# Altium PCB MB1397.PcbDoc (part 4 of 11)
Units mm, origin at the board's own origin, x right, y up, seen from the top; angles counter-clockwise.
Board outline 118.24 x 172.86 mm, 6 copper layers (Top Layer, L2_GND, L3_VCC, L4_SIG, L5_GND, Bottom Layer), stack 1.631 mm thick; 819 components, 632 nets, 2875 pads, 1523 vias.
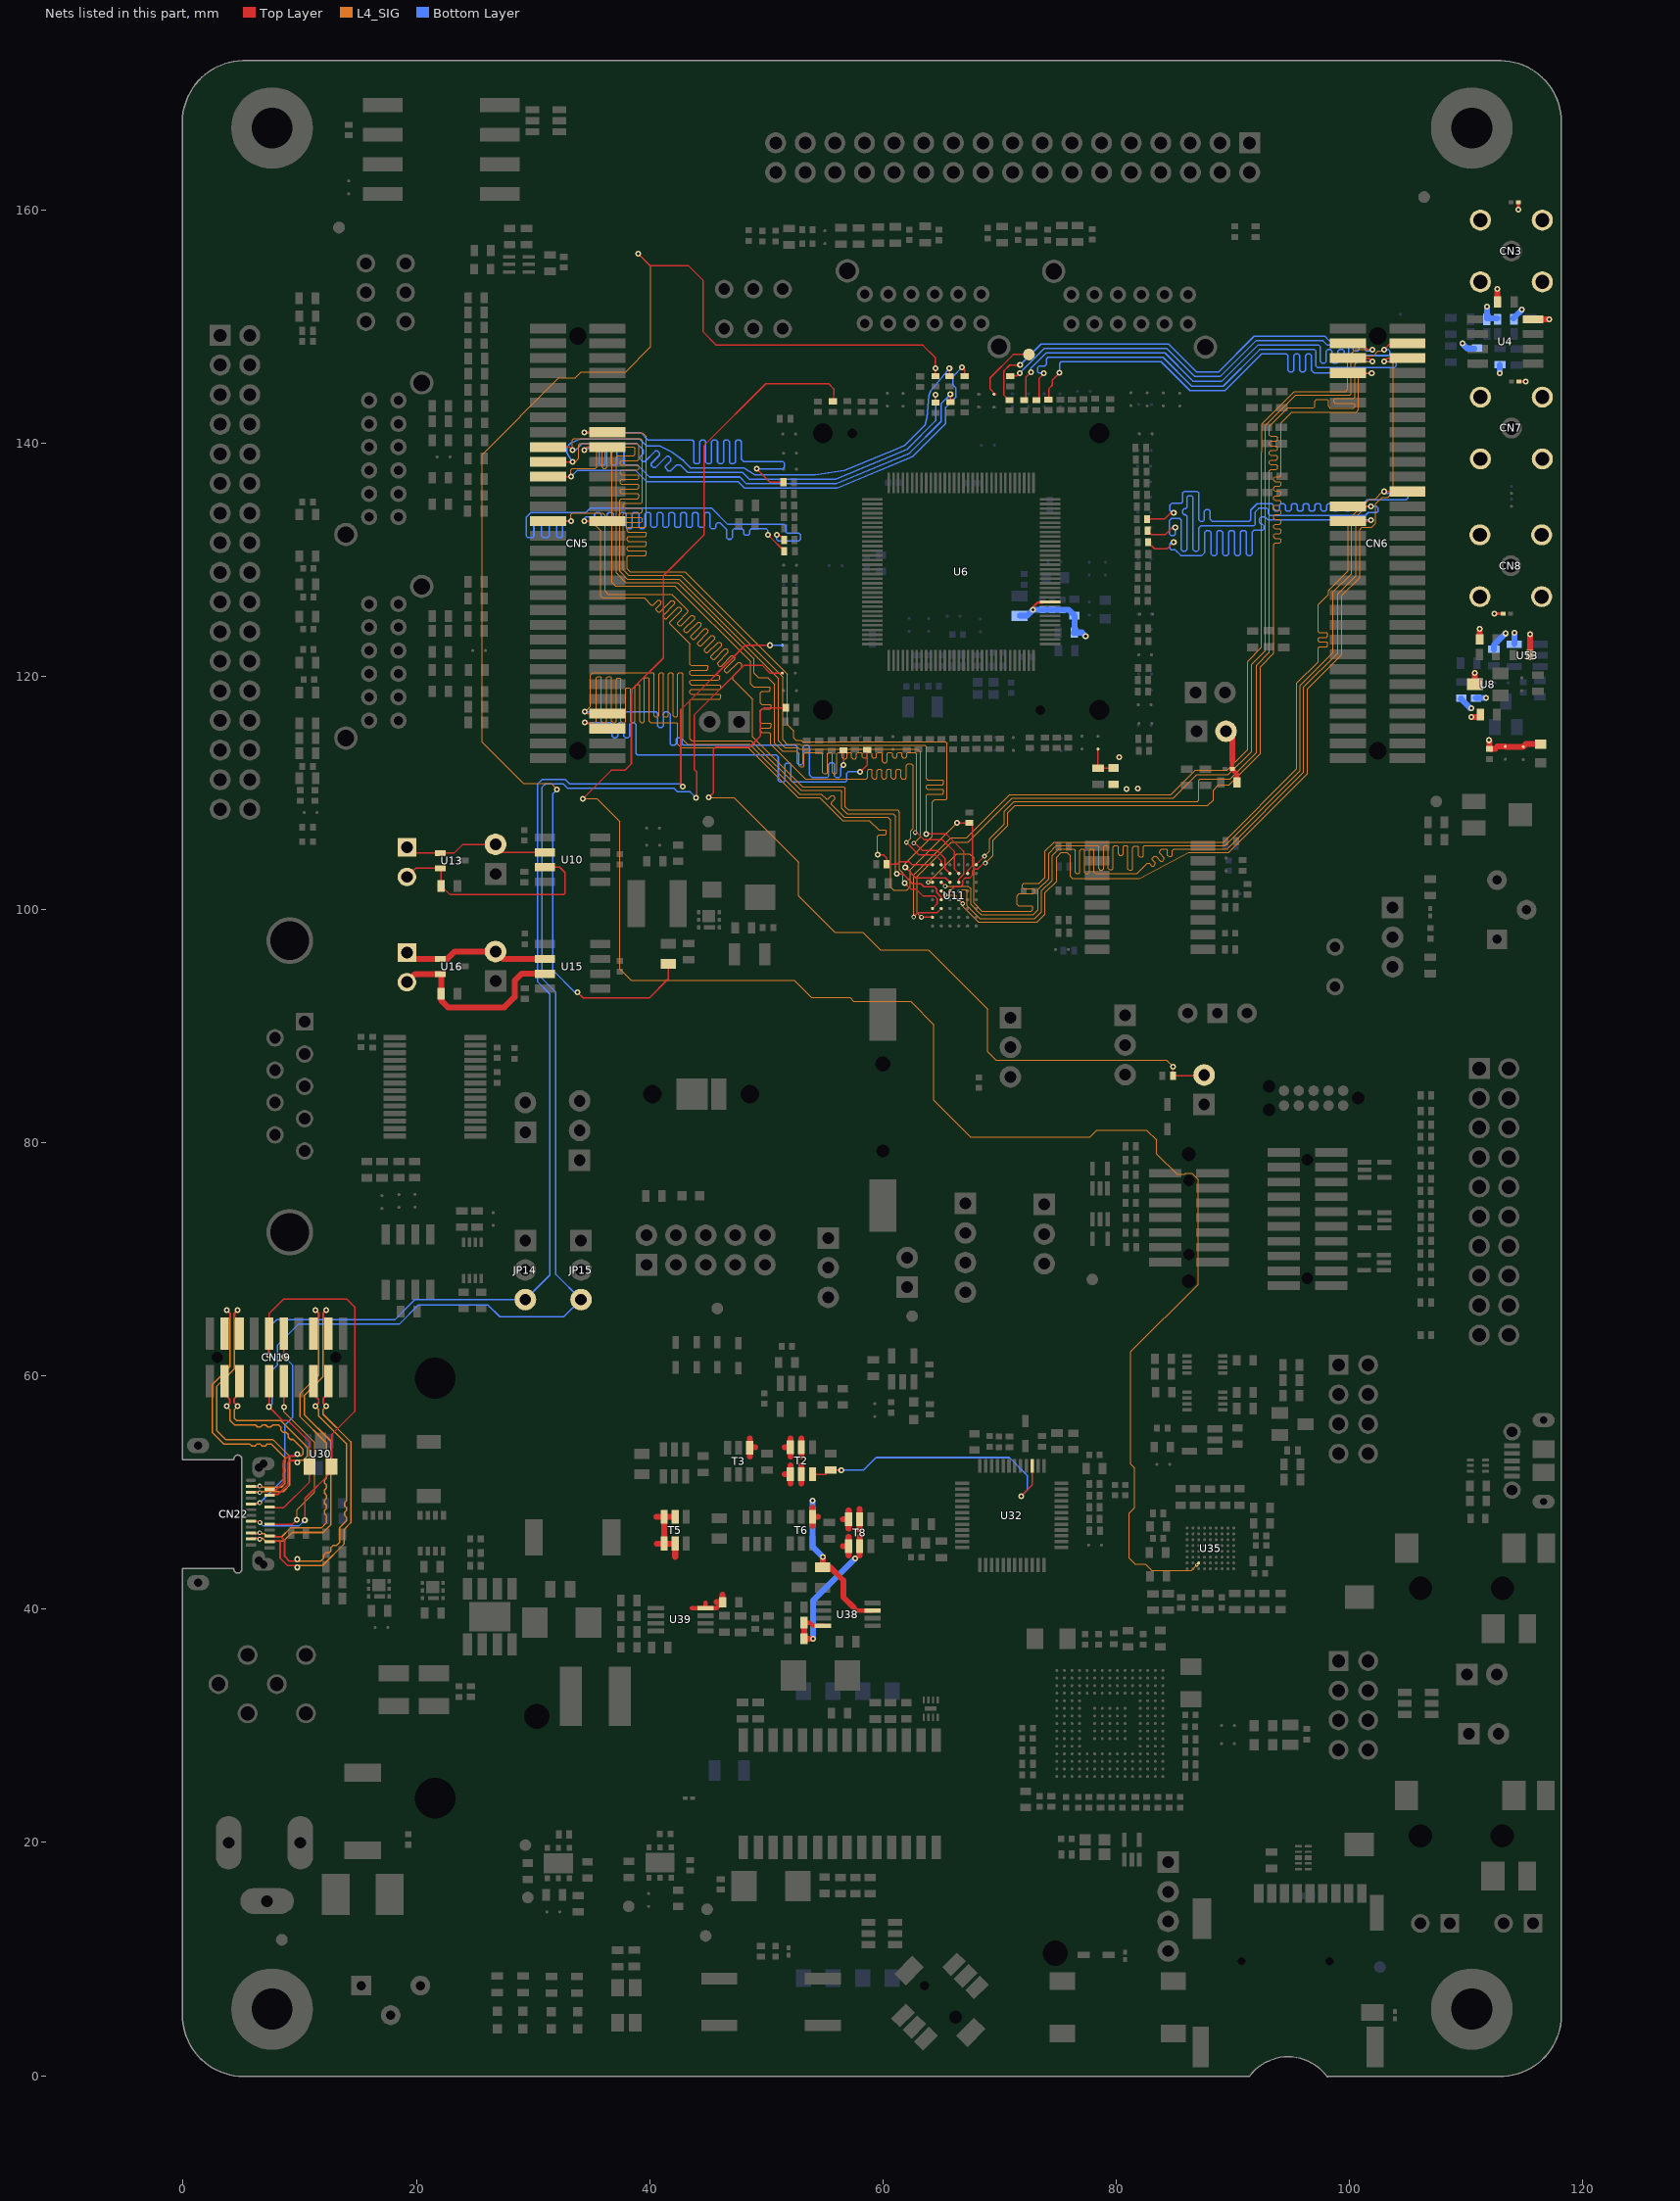
[diagram p8: the nets of this part, all layers, seen from the top]

## Via types
v1: diameter 0.508, hole 0.254, Top Layer to Bottom Layer, tented both sides, 1330 vias
v2: diameter 0.406, hole 0.203, Top Layer to Bottom Layer, tented both sides, 115 vias
v3: diameter 0.508, hole 0.254, Top Layer to Bottom Layer, 33 vias
v4: diameter 0.305, hole 0.152, Top Layer to Bottom Layer, tented both sides, 26 vias
v5: diameter 0.61, hole 0.305, Top Layer to Bottom Layer, tented both sides, 14 vias
v6: diameter 0.61, hole 0.33, Top Layer to Bottom Layer, tented both sides, 2 vias
v7: diameter 0.381, hole 0.203, Top Layer to Bottom Layer, tented both sides, 2 vias
v8: diameter 0.508, hole 0.203, Top Layer to Bottom Layer, tented both sides, 1 vias

## Nets (pads, with @x,y where several pads share a name; then routed paths per layer and width w, separated by ;. In a path a pad name is that pad's centre, name@x,y a point inside that pad or via, vN(x,y) a via of type N, cw(c..) or ccw(c..) an arc to the next point about the centre after c; other vN are vias at no path point) (continued)
A11: CN5.21 R28.2 U11.H5 | length 121.6
  Top Layer w0.127: CN5.21@31.285,137.111 33.244,137.109 v1(33.246,137.112) ; v2(62.012,105.75) 63.063,104.696 64.455,104.696 64.999,104.155 U11.H5@64.999,103.835 ; v1(66.774,146.479) 67.003,146.253 R28.2@67.003,145.738
  L4_SIG w0.102: v1(33.246,137.112) 33.246,137.701 33.373,137.828 35.354,137.828 35.456,137.93 35.456,139.207 35.593,139.344 35.809,139.344 35.928,139.225 35.928,137.93 36.03,137.828 36.236,137.828 36.335,137.93 36.335,139.273 36.406,139.344 36.675,139.344 36.777,139.243 36.777,128.039 37.081,127.734 42.161,127.734 48.638,121.257 48.638,119.352 48.892,119.098 50.239,119.098 50.34,118.996 50.34,118.793 50.239,118.692 49.604,118.692 49.502,118.59 49.502,117.686 49.604,117.584 50.315,117.584 50.416,117.483 50.416,117.279 50.315,117.178 49.604,117.178 49.502,117.076 49.502,116.083 49.604,115.981 50.315,115.981 50.416,115.88 50.416,115.677 50.315,115.575 49.604,115.575 49.502,115.473 49.502,115.288 49.629,115.161 50.239,115.161 50.366,115.034 50.366,114.17 53.337,111.199 58.58,111.199 58.682,111.3 58.682,111.91 58.783,112.011 58.986,112.011 59.088,111.91 59.088,111.3 59.19,111.199 59.393,111.199 59.494,111.3 59.494,111.91 59.596,112.011 59.799,112.011 59.901,111.91 59.901,111.3 60.002,111.199 60.206,111.199 60.307,111.3 60.307,111.91 60.409,112.011 60.612,112.011 60.714,111.91 60.714,111.3 60.815,111.199 61.018,111.199 61.12,111.3 61.12,111.91 61.222,112.011 61.425,112.011 61.526,111.91 61.526,111.3 61.628,111.199 61.923,111.199 62.024,111.3 62.024,112.367 62.151,112.494 62.431,112.494 62.583,112.342 62.583,106.962 62.38,106.759 62.38,106.119 v2(62.012,105.75)
  Bottom Layer w0.127: v1(33.246,137.112) 33.802,137.668 38.755,137.668 39.723,136.7 47.567,136.7 48.151,136.116 56.017,136.116 56.078,136.141 56.083,136.141 62.319,138.737 62.504,138.814 65.377,141.686 65.377,143.05 66.266,143.939 66.266,144.711 66.012,144.963 66.012,145.717 v1(66.774,146.479)
A12: CN5.18 R50.2 U11.G3 | length 125
  Top Layer w0.127: v1(34.389,139.398) 34.641,139.649 CN5.18@36.385,139.651 ; v2(62.761,106.601) 62.901,106.601 63.533,105.966 65.121,105.966 66.139,104.95 66.139,103.444 66.5,103.086 U11.G3@66.499,103.085 ; R50.2@65.786,143.503 v1(65.786,144.16)
  L4_SIG w0.102: v1(34.389,139.398) 34.641,139.649 38.603,139.649 38.732,139.52 38.732,139.037 38.605,138.91 37.259,138.91 37.132,138.783 37.132,128.854 37.948,128.039 42.39,128.039 48.943,121.486 48.943,120.266 49.324,119.885 50.112,119.885 50.721,119.276 50.721,114.247 51.382,113.586 52.601,113.586 52.829,113.358 52.829,112.342 52.931,112.24 53.134,112.24 53.236,112.342 53.236,113.358 53.337,113.459 54.745,113.459 54.846,113.358 54.846,111.757 54.948,111.656 55.151,111.656 55.253,111.757 55.253,113.358 55.354,113.459 55.557,113.459 55.659,113.358 55.659,111.757 55.761,111.656 55.964,111.656 56.065,111.757 56.065,113.358 56.167,113.459 56.408,113.459 56.51,113.358 56.51,113.027 56.612,112.926 56.815,112.926 56.916,113.027 56.916,113.358 57.018,113.459 57.221,113.459 57.323,113.358 57.323,113.027 57.424,112.926 57.628,112.926 57.729,113.027 57.729,113.358 57.831,113.459 58.143,113.459 58.245,113.358 58.245,113.078 58.346,112.977 58.55,112.977 58.651,113.078 58.651,113.358 58.753,113.459 58.956,113.459 59.058,113.358 59.058,113.078 59.159,112.977 59.362,112.977 59.464,113.078 59.464,113.358 59.566,113.459 59.855,113.459 59.957,113.358 59.957,112.697 60.058,112.596 60.261,112.596 60.363,112.697 60.363,113.358 60.465,113.459 60.719,113.459 60.82,113.358 60.82,113.104 60.922,113.002 61.125,113.002 61.227,113.104 61.227,113.358 61.328,113.459 61.531,113.459 61.633,113.358 61.633,113.104 61.735,113.002 61.938,113.002 62.039,113.104 62.039,113.358 62.141,113.459 62.761,113.459 62.888,113.332 62.888,106.728 v2(62.761,106.601)
  Bottom Layer w0.127: v1(34.389,139.398) 34.516,139.525 35.55,139.525 35.677,139.398 35.677,138.224 35.804,138.097 36.058,138.097 36.185,138.224 36.185,139.398 36.312,139.525 36.566,139.525 36.693,139.398 36.693,138.224 36.82,138.097 37.074,138.097 37.201,138.224 37.201,139.398 37.328,139.525 37.673,139.525 37.798,139.398 37.798,138.245 37.945,138.097 38.966,138.097 39.982,137.081 47.724,137.081 48.308,136.497 55.941,136.497 56.002,136.522 56.007,136.522 62.184,139.093 62.288,139.136 64.996,141.846 64.996,143.37 v1(65.786,144.16)
A13: CN5.19 R27.2 U11.G4 | length 122.1
  Top Layer w0.127: CN5.19@31.285,138.381 33.371,138.379 v1(33.373,138.382) ; v2(62.634,105.687) 62.735,105.687 63.345,105.077 64.615,105.077 65.331,104.364 65.331,103.505 65.75,103.086 U11.G4@65.749,103.085 ; R27.2@65.703,145.738 v1(65.702,146.393)
  L4_SIG w0.102: v1(33.373,138.382) 33.607,138.382 33.909,138.684 33.909,139.852 34.011,139.954 38.908,139.954 39.063,139.799 39.063,138.605 38.961,138.504 37.564,138.504 37.462,138.402 37.462,138.199 37.564,138.097 38.961,138.097 39.063,137.996 39.063,137.792 38.961,137.691 37.564,137.691 37.462,137.589 37.462,137.386 37.564,137.284 38.961,137.284 39.063,137.183 39.063,136.98 38.961,136.878 37.564,136.878 37.462,136.776 37.462,136.573 37.564,136.472 38.961,136.472 39.063,136.37 39.063,136.167 38.961,136.065 37.564,136.065 37.462,135.964 37.462,135.76 37.564,135.659 38.961,135.659 39.063,135.557 39.063,135.329 38.936,135.202 37.564,135.202 37.437,135.075 37.437,128.981 38.072,128.344 42.517,128.344 51.051,119.809 51.051,114.45 51.613,113.889 52.726,113.889 52.851,113.764 62.939,113.764 63.218,113.485 63.218,106.22 62.685,105.687 v2(62.634,105.687)
  Bottom Layer w0.127: v1(33.373,138.382) 32.893,139.126 32.893,139.649 33.246,140.002 34.008,140.335 39.136,140.335 39.723,139.748 40.866,139.748 41.882,139.24 42.898,138.478 43.533,137.843 48.105,137.843 48.994,137.284 54.206,137.284 56.693,137.635 60.894,139.383 61.854,139.781 63.599,141.526 63.772,142.161 63.944,144.066 64.12,144.516 v1(65.702,146.393)
A14: CN5.17 R53.2 U11.F3 | length 125.3
  Top Layer w0.127: CN5.17@31.285,139.651 33.122,139.649 v1(33.373,139.398) ; v1(63.726,106.474) 65.425,106.474 66.901,105.001 66.901,102.994 66.5,102.593 U11.F3@66.499,102.335 ; R53.2@64.501,143.474 64.501,143.474 64.516,143.49 v1(64.516,144.145)
  L4_SIG w0.102: v1(33.373,139.398) 33.373,140.256 33.475,140.358 39.215,140.358 39.367,140.205 39.367,134.917 39.266,134.816 37.843,134.816 37.742,134.714 37.742,134.511 37.843,134.409 39.266,134.409 39.367,134.308 39.367,134.104 39.266,134.003 37.843,134.003 37.742,133.901 37.742,133.698 37.843,133.596 39.266,133.596 39.367,133.495 39.367,133.292 39.266,133.19 37.843,133.19 37.742,133.088 37.742,129.106 38.199,128.648 42.695,128.648 51.407,119.936 51.407,114.551 51.768,114.191 52.851,114.191 52.973,114.069 63.599,114.069 63.726,113.942 63.726,111.214 63.828,111.115 65.098,111.115 65.199,111.011 65.199,110.808 65.098,110.706 63.828,110.706 63.726,110.607 63.726,110.401 63.828,110.3 65.098,110.3 65.199,110.198 65.199,109.995 65.098,109.893 63.828,109.893 63.726,109.792 v1(63.726,106.474)
  Bottom Layer w0.127: v1(33.373,139.398) 33.658,139.398 34.214,139.954 38.882,139.954 39.469,139.367 39.469,139.113 39.177,138.821 39.177,138.641 39.406,138.412 39.586,138.412 40.485,139.314 40.665,139.314 40.846,139.134 40.846,138.953 40.137,138.245 40.137,138.064 40.315,137.886 40.495,137.886 41.458,138.849 41.638,138.849 41.819,138.669 41.819,138.488 41.364,138.034 41.364,137.853 41.603,137.615 41.78,137.615 42.263,138.097 42.644,138.097 43.279,137.462 47.978,137.462 48.562,136.878 55.865,136.878 55.926,136.903 55.931,136.903 62.073,139.459 64.516,141.905 v1(64.516,144.145)
A15: CN5.16 R68.2 U11.F4 | length 122.8
  Top Layer w0.127: v1(34.392,140.891) 34.42,140.919 CN5.16@36.385,140.921 ; v1(49.185,137.78) 50.34,136.627 R68.2@51.468,136.627 ; v1(61.923,103.604) 62.812,102.715 65.369,102.715 65.75,102.334 U11.F4@65.749,102.335
  L4_SIG w0.102: v1(34.392,140.891) 39.367,140.891 39.723,140.536 39.723,132.885 39.621,132.784 38.174,132.784 38.072,132.682 38.072,132.479 38.174,132.377 39.621,132.377 39.723,132.276 39.723,132.072 39.621,131.971 38.174,131.971 38.072,131.869 38.072,131.666 38.174,131.564 39.621,131.564 39.723,131.463 39.723,131.26 39.621,131.158 38.174,131.158 38.072,131.056 38.072,130.853 38.174,130.752 39.621,130.752 39.723,130.65 39.723,130.447 39.621,130.345 38.174,130.345 38.072,130.244 38.072,129.207 38.326,128.953 43.025,128.953 51.788,120.19 51.788,115.872 52.336,115.325 52.336,114.717 52.56,114.493 52.976,114.493 53.096,114.374 65.377,114.374 65.504,114.247 65.504,109.522 65.402,109.421 64.437,109.421 64.234,109.217 64.234,106.271 61.923,103.96 v1(61.923,103.604)
  Bottom Layer w0.127: v1(34.392,140.891) 39.215,140.891 39.85,140.256 43.66,140.256 43.787,140.129 43.787,138.351 43.914,138.224 44.168,138.224 44.295,138.351 44.295,140.129 44.422,140.256 44.676,140.256 44.803,140.129 44.803,138.351 44.93,138.224 45.184,138.224 45.311,138.351 45.311,140.129 45.438,140.256 45.692,140.256 45.819,140.129 45.819,138.351 45.946,138.224 46.2,138.224 46.327,138.351 46.327,140.129 46.454,140.256 46.708,140.256 46.835,140.129 46.835,138.351 46.962,138.224 47.216,138.224 47.343,138.351 47.343,140.129 47.47,140.256 47.724,140.256 47.851,140.129 47.851,138.605 48.042,138.415 51.407,138.415 51.534,138.288 51.534,137.907 51.407,137.78 v1(49.185,137.78)
A16: CN6.7 R39.2 U11.E4 | length 122.9
  Top Layer w0.127: U11.E4@65.749,101.585 66.116,101.953 66.647,101.953 66.85,102.156 66.85,102.512 67.053,102.715 67.434,102.715 67.663,102.944 67.663,103.299 67.841,103.477 68.146,103.477 68.654,103.985 v2(68.781,103.985) ; R39.2@74.247,143.607 74.247,144.681 74.521,144.955 74.521,145.387 75.143,146.009 v1(75.143,146.035) ; CN6.7@99.865,146.001 99.865,146.002 v1(101.902,146.002)
  L4_SIG w0.102: v2(68.781,103.985) 69.441,104.645 69.441,105.926 70.711,107.196 70.711,108.278 71.346,108.913 87.831,108.913 88.323,109.403 88.323,110.244 88.755,110.673 89.667,110.673 92.37,113.375 92.37,120.818 93.52,121.968 93.52,131.315 93.622,131.417 94.028,131.417 94.13,131.519 94.13,131.722 94.028,131.823 93.622,131.823 93.52,131.925 93.52,132.128 93.622,132.23 94.028,132.23 94.13,132.331 94.13,132.535 94.028,132.636 93.622,132.636 93.52,132.738 93.52,132.941 93.622,133.043 94.028,133.043 94.13,133.144 94.13,133.347 94.028,133.449 93.622,133.449 93.52,133.551 93.52,133.754 93.622,133.855 94.028,133.855 94.13,133.957 94.13,134.16 94.028,134.262 93.622,134.262 93.52,134.363 93.52,134.567 93.622,134.668 94.028,134.668 94.13,134.77 94.13,134.973 94.028,135.075 93.622,135.075 93.52,135.176 93.52,135.379 93.622,135.481 94.028,135.481 94.13,135.583 94.13,135.786 94.028,135.887 93.622,135.887 93.52,135.989 93.52,136.192 93.622,136.294 94.028,136.294 94.13,136.395 94.13,136.599 94.028,136.7 93.622,136.7 93.52,136.802 93.52,137.005 93.622,137.107 94.028,137.107 94.13,137.208 94.13,141.704 95.07,142.644 100.581,142.644 100.785,142.847 100.785,145.768 101.018,146.002 v1(101.902,146.002)
  Bottom Layer w0.127: v1(75.143,146.035) 75.143,146.835 75.27,146.962 83.853,146.962 86.317,144.498 89.334,144.498 92.459,147.622 94.587,147.622 94.714,147.495 94.714,146.225 94.841,146.098 95.095,146.098 95.222,146.225 95.222,147.495 95.349,147.622 95.603,147.622 95.73,147.495 95.73,146.225 95.857,146.098 96.111,146.098 96.238,146.225 96.238,147.495 96.365,147.622 96.619,147.622 96.746,147.495 96.746,146.225 96.97,146.002 v1(101.902,146.002)
A17: CN6.6 R42.2 U11.D3 | length 122.8
  Top Layer w0.127: U11.D3@66.499,100.835 66.5,100.835 66.789,100.546 66.789,100.503 v2(66.832,100.503) ; R42.2@73.203,143.579 73.378,143.754 73.378,145.514 73.784,145.92 v1(73.784,145.997) ; v1(102.969,146.987) 103.254,147.272 104.965,147.272 CN6.6@104.965,147.271
  L4_SIG w0.102: v2(66.832,100.503) 66.832,100.277 68.179,98.93 73.226,98.93 73.911,99.616 73.911,101.445 74.889,102.423 74.889,104.48 75.283,104.874 75.791,104.874 76.07,104.595 76.07,102.842 76.248,102.664 81.989,102.664 86.205,104.874 89.629,104.874 96.39,111.636 96.39,118.897 99.347,121.854 99.347,126.931 100.884,128.469 100.884,132.568 101.08,132.763 101.902,132.763 102.258,133.119 102.258,134.795 102.817,135.354 103.274,135.354 103.731,135.811 103.731,146.835 103.579,146.987 v1(102.969,146.987)
  Bottom Layer w0.127: v1(73.784,145.997) 73.378,145.997 73.251,146.124 73.251,146.441 73.416,146.606 73.886,146.606 74.013,146.733 74.013,147.203 74.15,147.343 84.013,147.343 86.477,144.879 89.177,144.879 92.301,148.003 97,148.003 97.127,147.876 97.127,146.606 97.279,146.454 103.858,146.454 103.985,146.581 103.985,146.86 103.858,146.987 v1(102.969,146.987)
A18: CN6.5 R41.2 U11.H1 | length 123.6
  Top Layer w0.127: U11.H1@67.999,103.835 67.998,103.863 v2(68.704,104.569) ; R41.2@72.154,143.579 72.26,143.685 72.26,145.641 v1(72.692,146.073) ; CN6.5@99.865,147.271 99.865,147.272 101.671,147.272 v1(101.953,146.987)
  L4_SIG w0.102: v2(68.704,104.569) 69.136,105.001 69.136,106.053 70.406,107.323 70.406,108.405 71.244,109.243 86.942,109.243 87.094,109.395 87.094,111.084 87.196,111.186 89.748,111.186 92.024,113.462 92.024,120.932 93.139,122.047 93.139,137.625 93.241,137.726 93.723,137.726 93.825,137.828 93.825,138.031 93.723,138.133 93.241,138.133 93.139,138.234 93.139,138.438 93.241,138.539 93.723,138.539 93.825,138.641 93.825,138.844 93.723,138.946 93.241,138.946 93.139,139.047 93.139,139.25 93.241,139.352 93.723,139.352 93.825,139.454 93.825,139.657 93.723,139.758 93.241,139.758 93.139,139.86 93.139,140.063 93.241,140.165 93.723,140.165 93.825,140.266 93.825,140.47 93.723,140.571 93.241,140.571 93.139,140.673 93.139,141.425 94.739,143.025 96.924,143.025 97.025,143.126 97.025,143.584 97.178,143.736 98.092,143.736 98.194,143.634 98.194,143.152 98.346,142.999 100.353,142.999 100.454,143.101 100.454,143.304 100.353,143.406 98.753,143.406 98.651,143.507 98.651,143.711 98.753,143.812 100.302,143.812 100.454,143.965 100.454,146.759 100.683,146.987 v1(101.953,146.987)
  Bottom Layer w0.127: v1(72.692,146.073) 72.692,146.421 73.993,147.724 84.173,147.724 86.431,145.463 86.434,145.463 86.589,145.311 89.065,145.311 92.141,148.384 97.381,148.384 97.508,148.257 97.508,146.987 97.635,146.86 97.889,146.86 98.016,146.987 98.016,147.876 98.143,148.003 98.372,148.003 98.499,147.876 98.499,146.962 98.626,146.835 98.88,146.835 99.007,146.962 99.007,147.876 99.134,148.003 99.413,148.003 99.538,147.879 99.538,147.117 99.67,146.987 v1(101.953,146.987)
A19: CN5.54 R146.1 R156.2 U11.G2 | length 121.2
  Top Layer w0.127: v1(34.453,116.952) 34.615,116.789 CN5.54@36.385,116.791 ; v1(56.617,112.37) R146.1@56.617,113.652 ; v1(66.36,107.424) R156.2@67.409,107.424 ; U11.G2@67.249,103.085 67.249,103.317 67.663,103.731 67.663,107.17 R156.2@67.409,107.424 ; R156.2@67.41,107.422 R156.2@67.409,107.424
  L4_SIG w0.102: v1(34.453,116.952) 34.922,117.422 34.922,120.089 35.126,120.292 40.279,120.292 40.381,120.19 40.381,116.622 40.483,116.52 40.686,116.52 40.787,116.622 40.787,120.165 40.914,120.292 41.092,120.292 41.194,120.19 41.194,116.622 41.295,116.52 41.499,116.52 41.6,116.622 41.6,120.165 41.727,120.292 41.905,120.292 42.007,120.19 42.007,116.622 42.108,116.52 42.311,116.52 42.413,116.622 42.413,120.165 42.54,120.292 42.743,120.292 42.845,120.19 42.845,114.554 43.228,114.17 48.59,114.17 52.857,109.903 54.709,109.903 55.154,109.459 55.298,109.459 55.598,109.758 55.743,109.758 55.885,109.616 55.885,109.471 55.585,109.172 55.585,109.027 56.69,107.922 60.399,107.922 60.678,107.643 60.678,101.902 60.907,101.674 62.05,101.674 62.329,101.953 62.329,103.426 66.327,107.424 v1(66.36,107.424)
  Bottom Layer w0.127: v1(34.453,116.952) 40.549,116.952 40.676,116.825 40.676,115.745 40.803,115.618 41.057,115.618 41.184,115.745 41.184,116.825 41.311,116.952 41.565,116.952 41.755,116.761 41.755,114.221 41.882,114.094 42.139,114.094 42.266,114.221 42.266,114.602 42.393,114.729 42.647,114.729 42.774,114.602 42.774,114.221 42.901,114.094 52.525,114.094 52.652,113.967 52.652,112.555 52.779,112.428 53.033,112.428 53.16,112.555 53.16,113.967 53.287,114.094 53.566,114.094 53.693,113.967 53.693,111.554 53.947,111.3 55.217,111.3 55.344,111.427 55.344,112.443 55.471,112.57 55.725,112.57 55.852,112.443 55.852,111.427 55.979,111.3 56.233,111.3 56.36,111.427 56.36,112.113 v1(56.617,112.37)
A20: CN5.56 R143.1 R162.2 U11.H6 | length 122.2
  Top Layer w0.127: v1(34.44,116.025) 34.719,116.025 35.225,115.519 CN5.56@36.385,115.521 ; v1(58.036,111.783) 58.649,112.395 R143.1@58.649,113.688 ; v1(59.535,104.696) 60.043,104.696 60.315,104.424 R162.2@60.316,103.885 61.211,103.883 61.44,104.112 62.225,104.112 62.507,103.833 U11.H6@64.249,103.835
  L4_SIG w0.102: v1(34.44,116.025) 35.339,116.025 35.441,116.126 35.441,119.885 35.542,119.987 35.745,119.987 35.847,119.885 35.847,116.126 35.949,116.025 36.215,116.025 36.317,116.126 36.317,119.885 36.419,119.987 36.622,119.987 36.723,119.885 36.723,116.126 36.825,116.025 37.028,116.025 37.13,116.126 37.13,119.733 37.231,119.835 37.435,119.835 37.536,119.733 37.536,116.126 37.638,116.025 37.841,116.025 37.943,116.126 37.943,118.92 38.044,119.022 38.247,119.022 38.349,118.92 38.349,116.126 38.451,116.025 38.654,116.025 38.755,116.126 38.755,119.174 38.857,119.276 39.06,119.276 39.162,119.174 39.162,116.126 39.263,116.025 39.441,116.025 39.543,116.126 39.543,119.784 39.644,119.885 39.848,119.885 39.949,119.784 39.949,116.152 40.076,116.025 42.314,116.025 42.415,115.923 42.415,114.17 42.72,113.866 48.463,113.866 52.73,109.598 54.582,109.598 56.563,107.617 58.824,107.617 59.637,106.804 60.195,106.804 60.297,106.703 60.297,106.5 60.195,106.398 59.637,106.398 59.535,106.296 v1(59.535,104.696)
  Bottom Layer w0.127: v1(34.44,116.025) 36.642,116.025 36.769,115.898 36.769,114.856 36.896,114.729 37.15,114.729 37.277,114.856 37.277,115.898 37.404,116.025 37.666,116.025 37.793,115.898 37.793,114.856 37.92,114.729 38.174,114.729 38.301,114.856 38.301,115.898 38.428,116.025 38.682,116.025 38.834,115.872 38.834,113.383 38.961,113.256 50.848,113.256 51.026,113.078 51.026,111.046 51.153,110.919 51.473,110.919 51.6,111.046 51.6,112.428 51.727,112.555 51.981,112.555 52.108,112.428 52.108,111.046 52.235,110.919 56.769,110.919 56.896,111.046 56.896,111.681 57.023,111.808 58.011,111.808 v1(58.036,111.783)
ADC_OUTN: C35.1 R152.2 SB27.1 | length 3
  Top Layer w0.127: SB27.1@78.435,113.754 78.435,112.156 78.461,112.131 79.779,112.131 79.781,112.133 C35.1@79.781,112.133 ; R152.2@78.461,112.13 R152.2@78.461,112.13